# KiCad board fpgaboard.kicad_pcb
title: Game Boy reverse eng. FPGA board; date: 2024-12-09; rev: 1; company: CC-BY-SA-4.0 Michael Singer; note: https://github.com/msinger/gbreveng/; note: http://iceboy.a-singer.de/
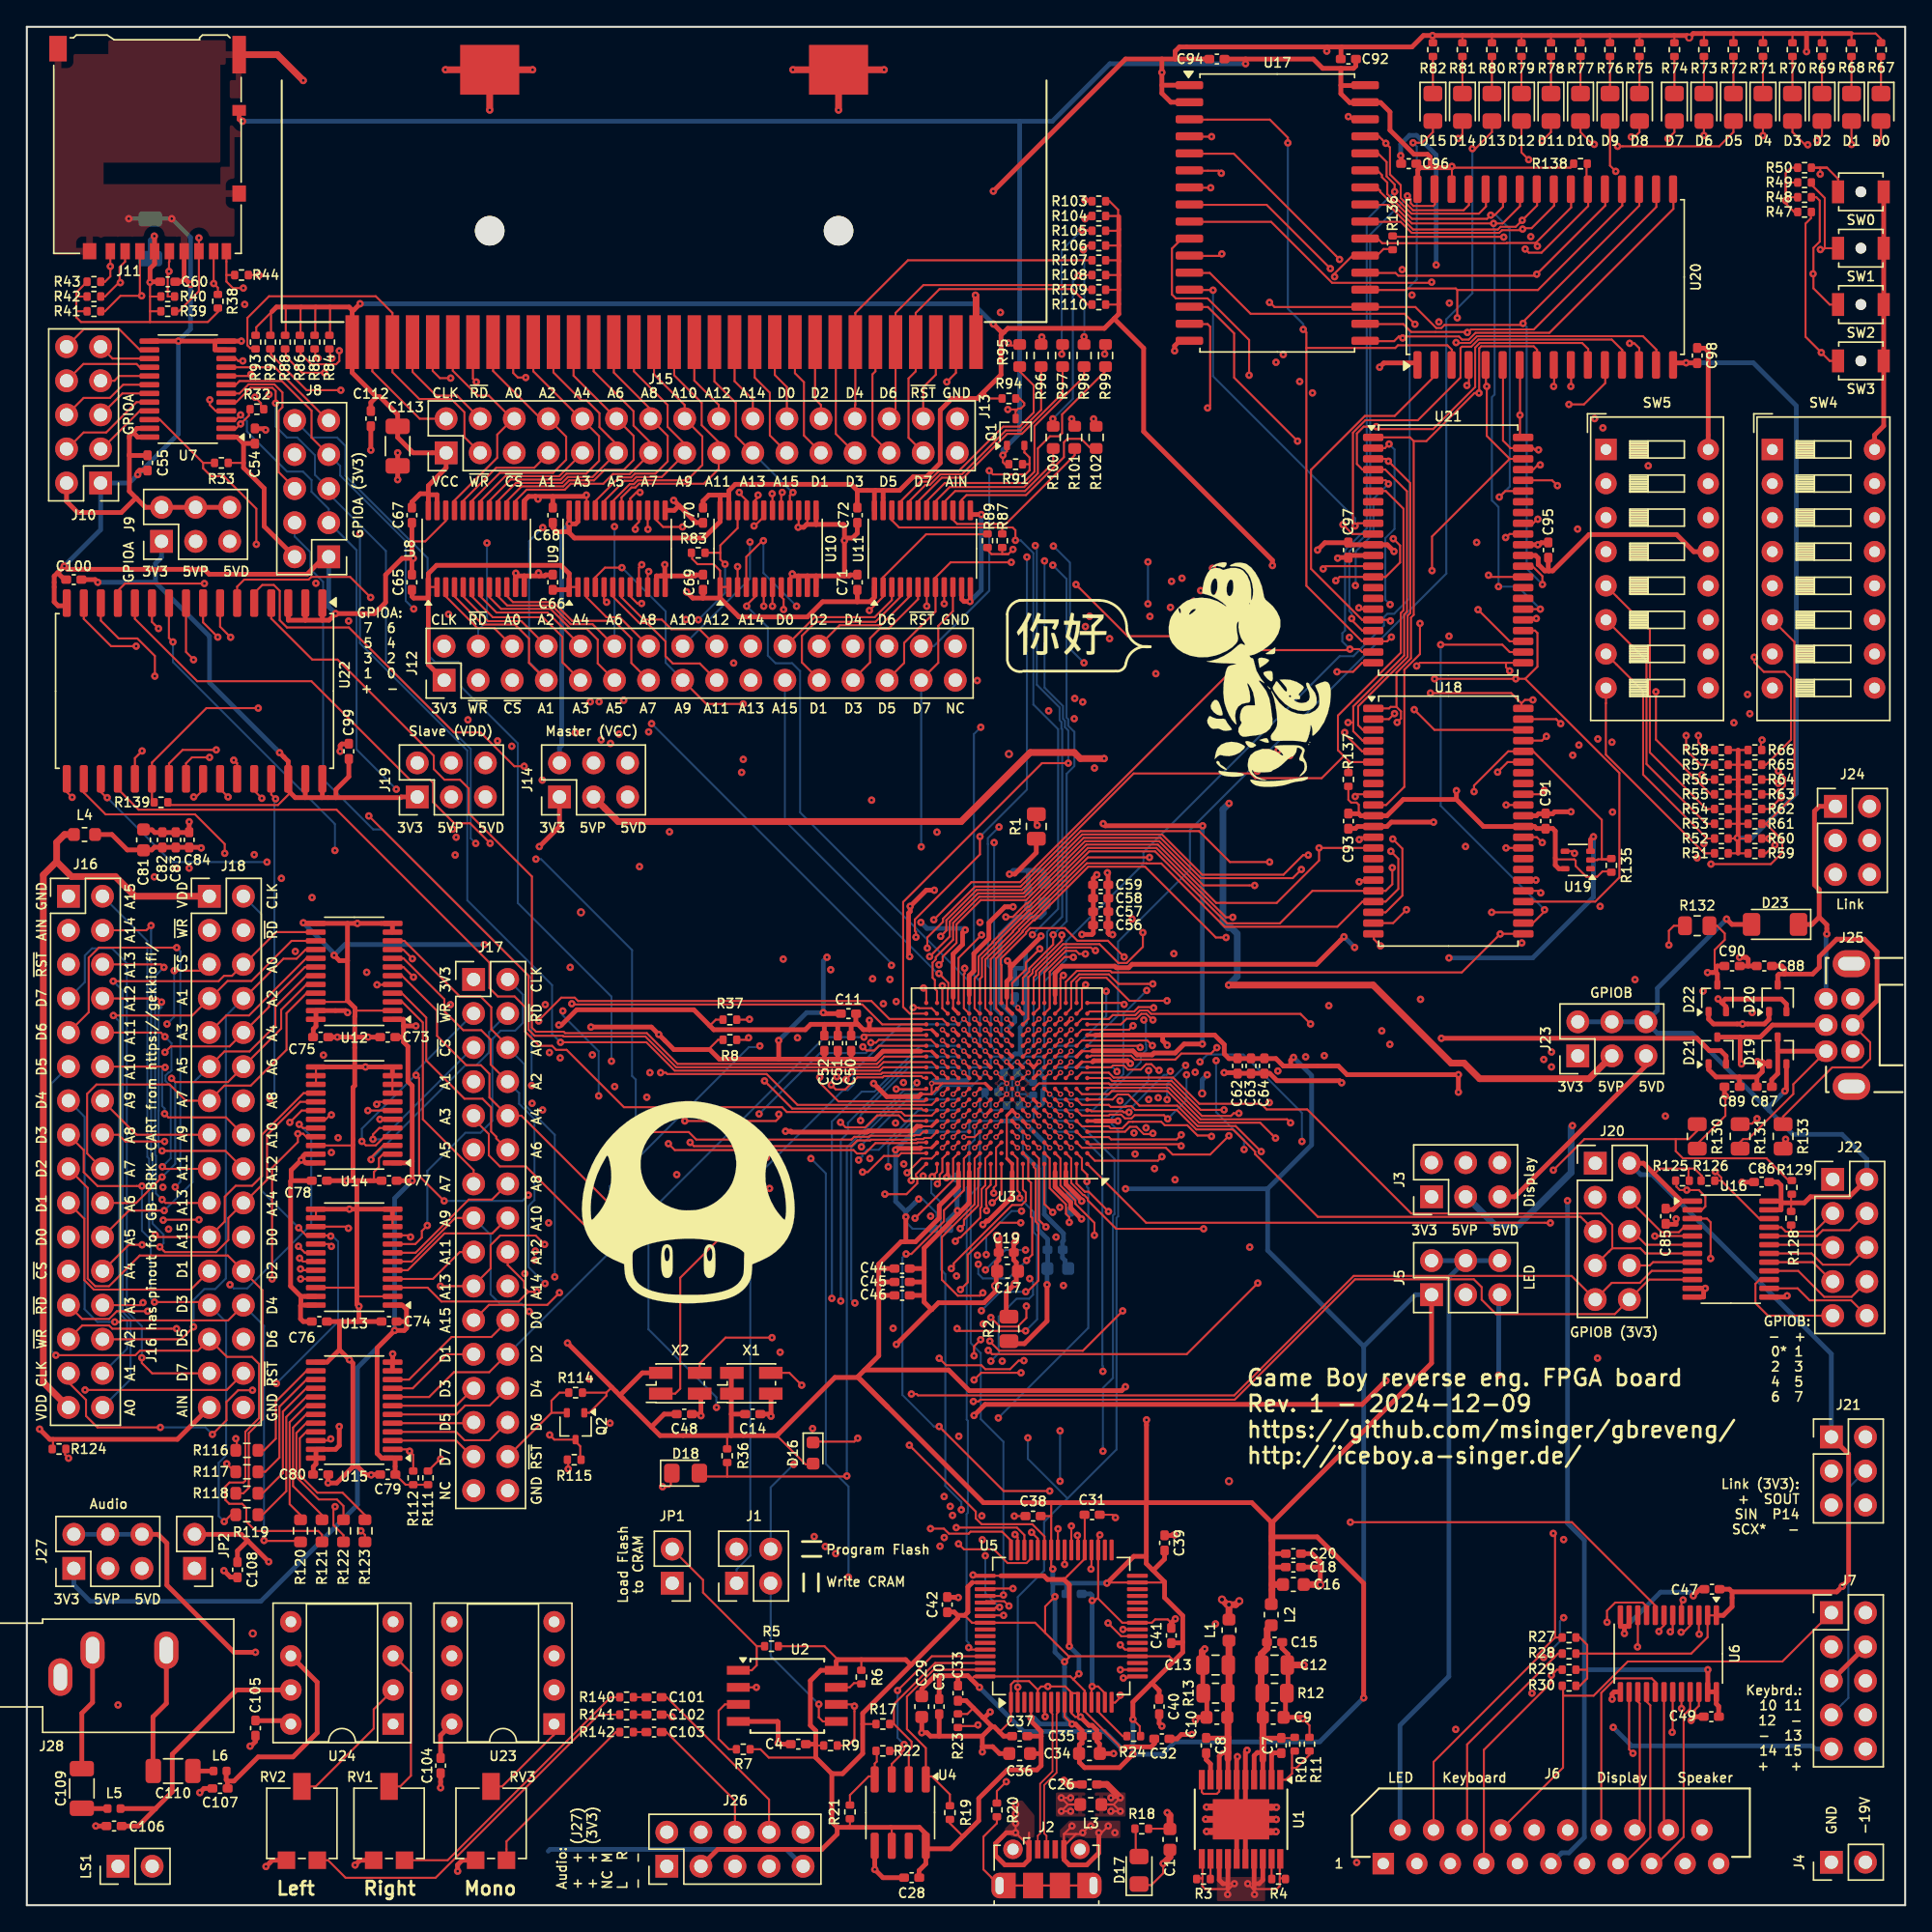
[diagram p0: board, top side]
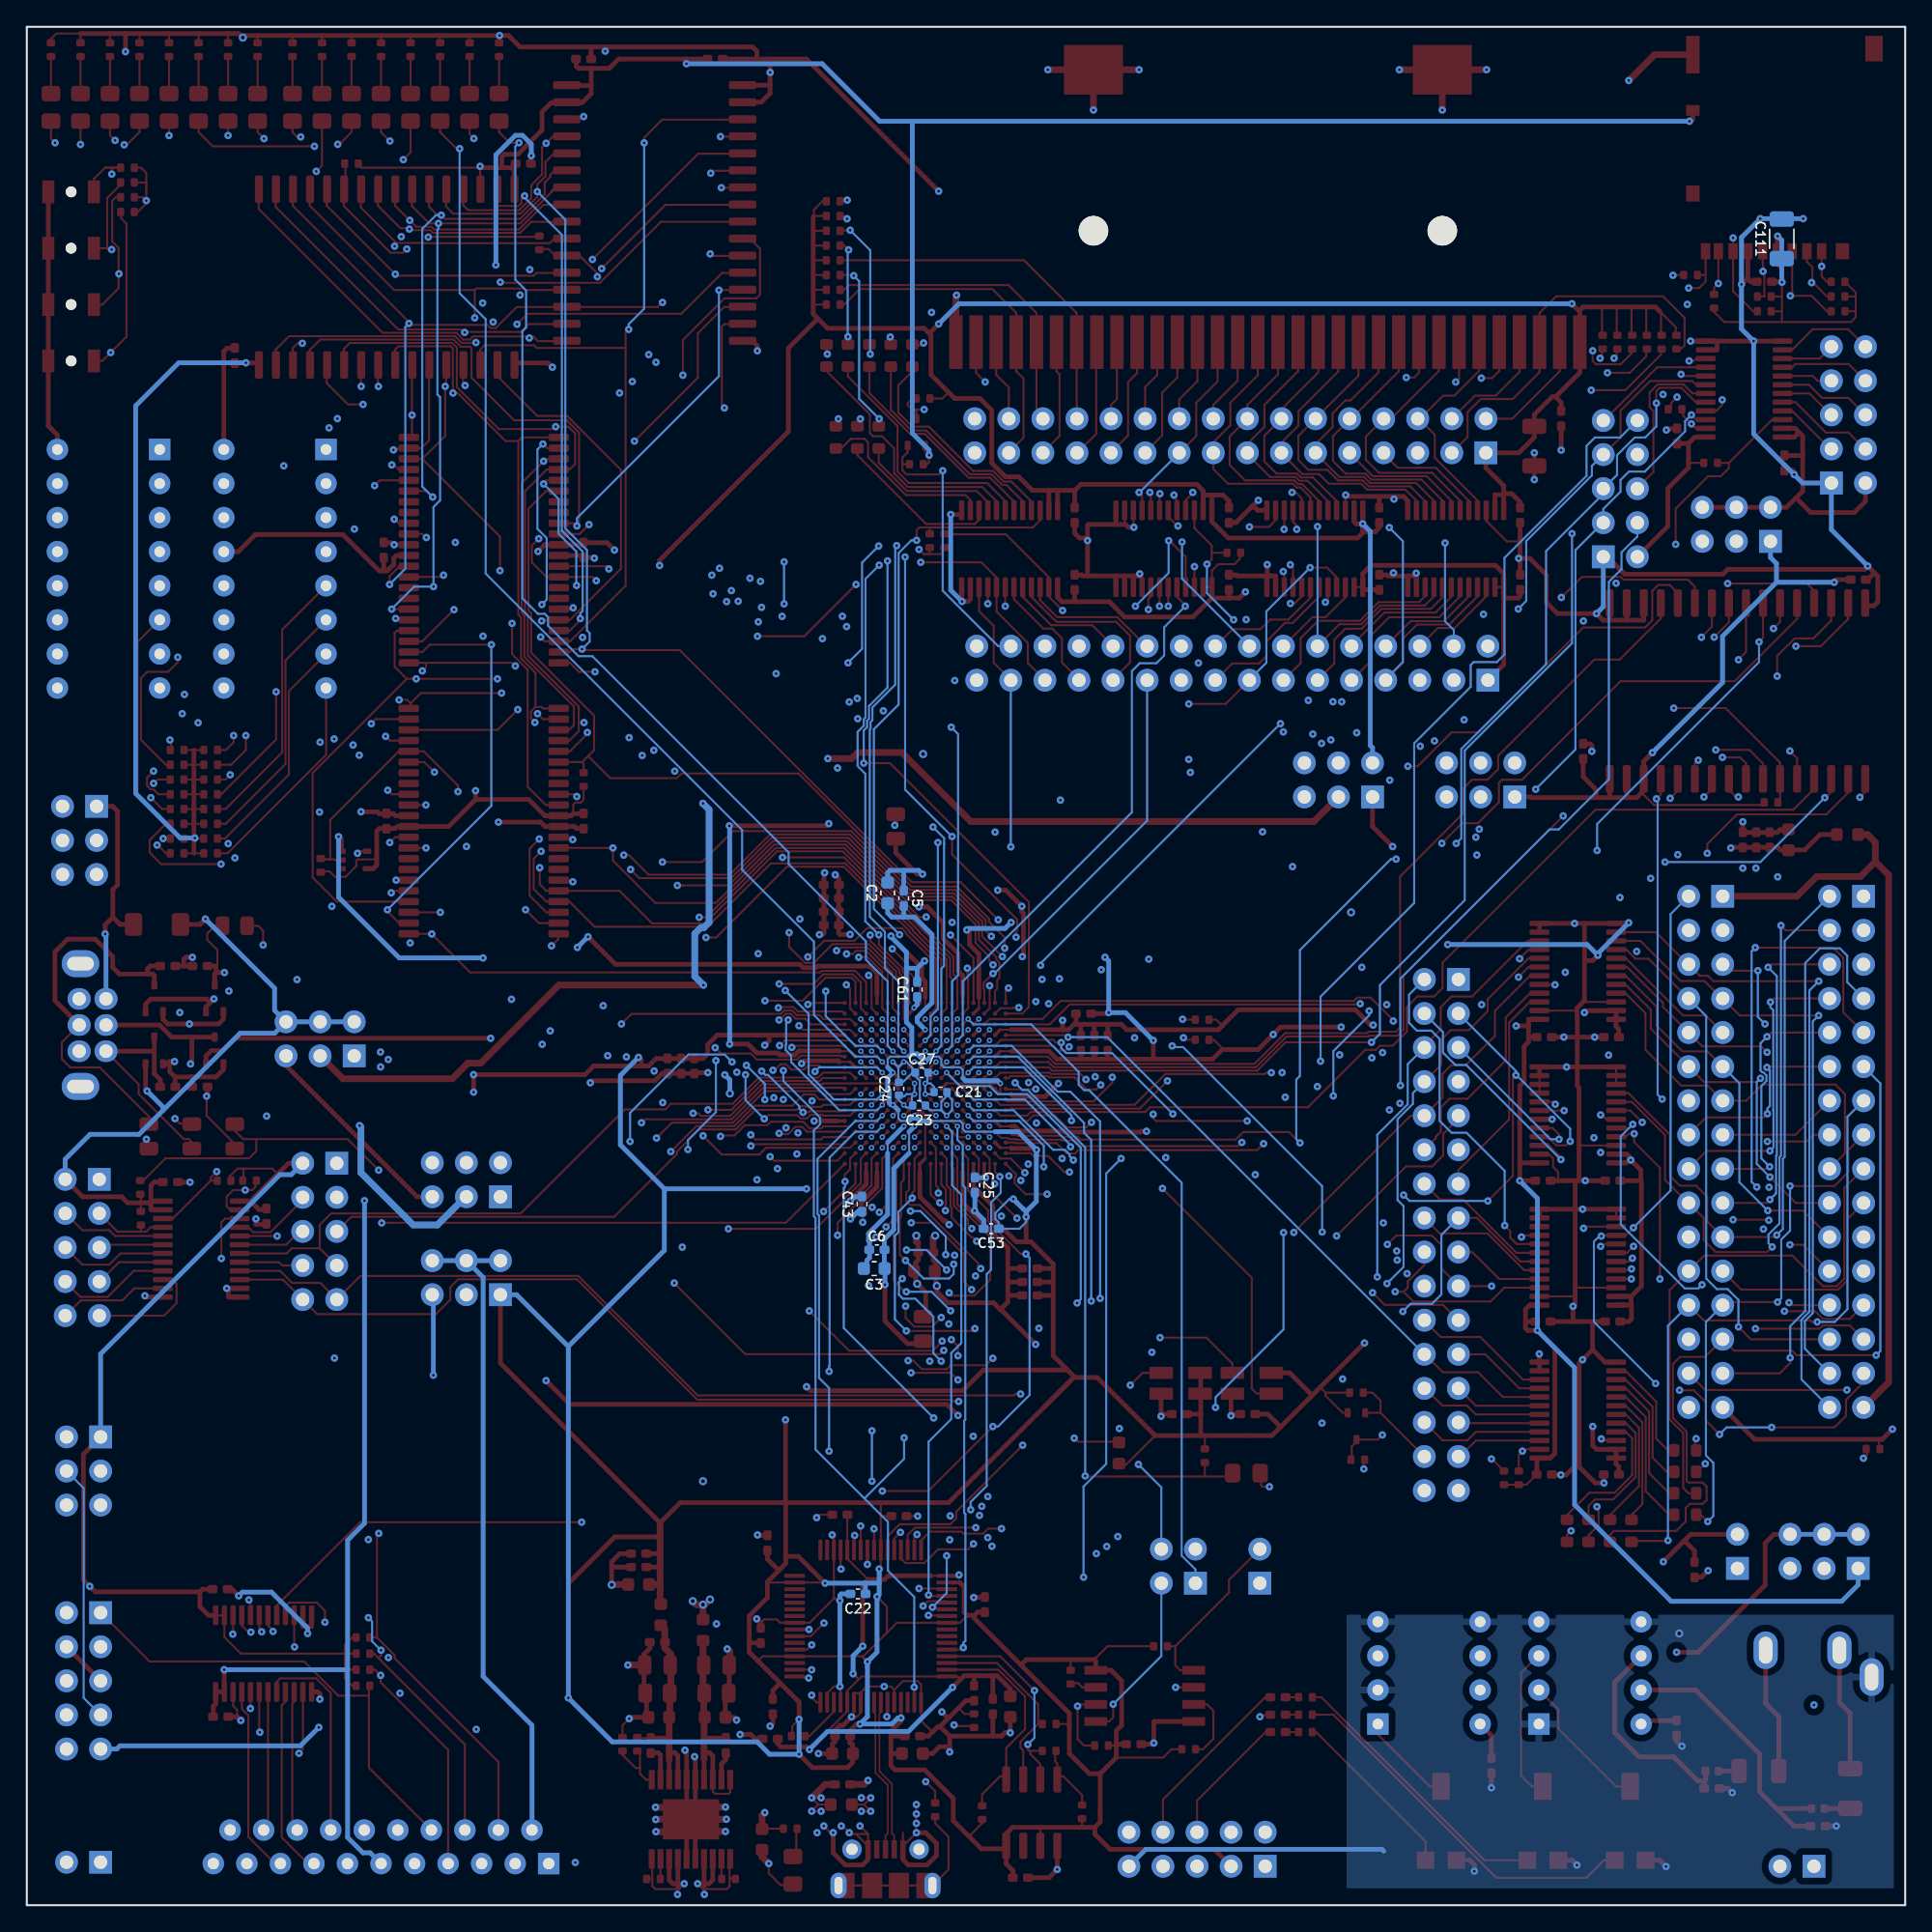
[diagram p1: board, bottom side, seen from below]

Outline 140 x 140 mm; copper layers: Top, In1.Cu, In2.Cu, Bottom. Coordinates in mm from the lower left corner of the outline.
Outline path: 0,140 0,0 140,0 140,140 0,140
Stack: Top 0.035mm / dielectric 0.48mm FR4 er 4.5 / In1.Cu 0.035mm / dielectric 0.48mm FR4 er 4.5 / In2.Cu 0.035mm / dielectric 0.48mm FR4 er 4.5 / Bottom 0.035mm

## Placement (name value [footprint] x y rotation side)
C1  10µ  [C_0603_1608Metric]  85.2 4.9 270 top
C2  10µ  [C_0603_1608Metric]  75.84 75.45 90 bottom
C3  10µ  [C_0603_1608Metric]  76.84 47.45 0 bottom
C4  100n  [C_0402_1005Metric_Pad0.74x0.62mm_HandSolder]  57.5 12 180 top
C5  100n  [C_0402_1005Metric_Pad0.74x0.62mm_HandSolder]  74.64 75.05 90 bottom
C6  100n  [C_0402_1005Metric_Pad0.74x0.62mm_HandSolder]  76.64 48.85 0 bottom
C7  10n  [C_0402_1005Metric_Pad0.74x0.62mm_HandSolder]  93.5 11.9 270 top
C8  10n  [C_0402_1005Metric_Pad0.74x0.62mm_HandSolder]  87.9 11.9 270 top
C9  10µ  [C_0603_1608Metric]  92.9 14 0 top
C10  4.7µ  [C_0603_1608Metric]  88.7 14 180 top
C11  100n  [C_0402_1005Metric_Pad0.74x0.62mm_HandSolder]  61.24 66.45 180 top
C12  22µ  [C_0805_2012Metric]  93 17.9 0 top
C13  22µ  [C_0805_2012Metric]  88.6 17.9 180 top
C14  100n  [C_0402_1005Metric_Pad0.74x0.62mm_HandSolder]  54.1 36.6 0 top
C15  100n  [C_0402_1005Metric_Pad0.74x0.62mm_HandSolder]  93 19.6 0 top
C16  10µ  [C_0603_1608Metric]  94.4 23.9 0 top
C17  10µ  [C_0603_1608Metric]  73.1 47.25 180 top
C18  1µ  [C_0402_1005Metric_Pad0.74x0.62mm_HandSolder]  94.4 25.2 0 top
C19  1µ  [C_0402_1005Metric_Pad0.74x0.62mm_HandSolder]  73 48.65 180 top
C20  100n  [C_0402_1005Metric_Pad0.74x0.62mm_HandSolder]  94.4 26.2 0 top
C21  100n  [C_0402_1005Metric]  71.9 60.6 0 bottom
C22  10n  [C_0402_1005Metric_Pad0.74x0.62mm_HandSolder]  78.05 23.2 0 bottom
C23  100n  [C_0402_1005Metric]  73.5 59.6 0 bottom
C24  100n  [C_0402_1005Metric]  75 60.85 270 bottom
C25  100n  [C_0402_1005Metric_Pad0.74x0.62mm_HandSolder]  69.34 53.67 270 bottom
C26  100n  [C_0402_1005Metric_Pad0.74x0.62mm_HandSolder]  79.2 9 0 top
C27  10n  [C_0402_1005Metric]  73.3 62.05 180 bottom
C28  100n  [C_0402_1005Metric_Pad0.74x0.62mm_HandSolder]  65.95 2.05 180 top
C29  10µ  [C_0603_1608Metric]  66.7 14.8 270 top
C30  100n  [C_0402_1005Metric_Pad0.74x0.62mm_HandSolder]  68 14.8 270 top
C31  100n  [C_0402_1005Metric_Pad0.74x0.62mm_HandSolder]  79.4 29.1 0 top
C32  100n  [C_0402_1005Metric_Pad0.74x0.62mm_HandSolder]  84.6 12.4 0 top
C33  100n  [C_0402_1005Metric_Pad0.74x0.62mm_HandSolder]  69.4 15.8 270 top
C34  4.7µ  [C_0603_1608Metric]  79.2 11.3 0 top
C35  100n  [C_0402_1005Metric_Pad0.74x0.62mm_HandSolder]  79.2 12.6 0 top
C36  4.7µ  [C_0603_1608Metric]  74 11.3 180 top
C37  100n  [C_0402_1005Metric_Pad0.74x0.62mm_HandSolder]  74 12.6 180 top
C38  100n  [C_0402_1005Metric_Pad0.74x0.62mm_HandSolder]  75 29 180 top
C39  100n  [C_0402_1005Metric_Pad0.74x0.62mm_HandSolder]  84.8 27 90 top
C40  100n  [C_0402_1005Metric_Pad0.74x0.62mm_HandSolder]  84.4 14.8 270 top
C41  100n  [C_0402_1005Metric_Pad0.74x0.62mm_HandSolder]  85.3 20.1 90 top
C42  100n  [C_0402_1005Metric_Pad0.74x0.62mm_HandSolder]  68.6 22.4 90 top
C43  100n  [C_0402_1005Metric_Pad0.74x0.62mm_HandSolder]  77.75 52.25 90 bottom
C44  100n  [C_0402_1005Metric_Pad0.74x0.62mm_HandSolder]  65.24 47.45 180 top
C45  100n  [C_0402_1005Metric_Pad0.74x0.62mm_HandSolder]  65.24 46.45 180 top
C46  100n  [C_0402_1005Metric_Pad0.74x0.62mm_HandSolder]  65.24 45.45 180 top
C47  100n  [C_0402_1005Metric_Pad0.74x0.62mm_HandSolder]  125.6 23.55 180 top
C48  100n  [C_0402_1005Metric_Pad0.74x0.62mm_HandSolder]  49 36.6 0 top
C49  100n  [C_0402_1005Metric_Pad0.74x0.62mm_HandSolder]  125.55 14.05 0 top
C50  100n  [C_0402_1005Metric_Pad0.74x0.62mm_HandSolder]  61.44 64.25 90 top
C51  100n  [C_0402_1005Metric_Pad0.74x0.62mm_HandSolder]  60.44 64.25 90 top
C52  100n  [C_0402_1005Metric_Pad0.74x0.62mm_HandSolder]  59.44 64.25 90 top
C53  100n  [C_0402_1005Metric_Pad0.74x0.62mm_HandSolder]  68.12 50.42 180 bottom
C54  100n  [C_0402_1005Metric_Pad0.74x0.62mm_HandSolder]  17 109.5 90 top
C55  100n  [C_0402_1005Metric_Pad0.74x0.62mm_HandSolder]  9 107.5 90 top
C56  100n  [C_0402_1005Metric_Pad0.74x0.62mm_HandSolder]  80.04 73.05 0 top
C57  100n  [C_0402_1005Metric_Pad0.74x0.62mm_HandSolder]  80.04 74.05 0 top
C58  100n  [C_0402_1005Metric_Pad0.74x0.62mm_HandSolder]  80.04 75.05 0 top
C59  100n  [C_0402_1005Metric_Pad0.74x0.62mm_HandSolder]  80.04 76.05 0 top
C60  100n  [C_0402_1005Metric_Pad0.74x0.62mm_HandSolder]  10.5 121 0 top
C61  100n  [C_0402_1005Metric_Pad0.74x0.62mm_HandSolder]  73.64 68.25 90 bottom
C62  100n  [C_0402_1005Metric_Pad0.74x0.62mm_HandSolder]  90.24 62.55 90 top
C63  100n  [C_0402_1005Metric_Pad0.74x0.62mm_HandSolder]  91.24 62.55 90 top
C64  100n  [C_0402_1005Metric_Pad0.74x0.62mm_HandSolder]  92.24 62.55 90 top
C65  100n  [C_0402_1005Metric_Pad0.74x0.62mm_HandSolder]  28.7 98.6 90 top
C66  100n  [C_0402_1005Metric_Pad0.74x0.62mm_HandSolder]  39.2 98.6 270 top
C67  100n  [C_0402_1005Metric_Pad0.74x0.62mm_HandSolder]  28.7 103.6 270 top
C68  100n  [C_0402_1005Metric_Pad0.74x0.62mm_HandSolder]  39.2 103.6 270 top
C69  100n  [C_0402_1005Metric_Pad0.74x0.62mm_HandSolder]  50.4 98.6 270 top
C70  100n  [C_0402_1005Metric_Pad0.74x0.62mm_HandSolder]  50.4 103.6 90 top
C71  100n  [C_0402_1005Metric_Pad0.74x0.62mm_HandSolder]  61.9 98.6 90 top
C72  100n  [C_0402_1005Metric_Pad0.74x0.62mm_HandSolder]  61.9 103.6 270 top
C73  100n  [C_0402_1005Metric_Pad0.74x0.62mm_HandSolder]  26.9 64.7 180 top
C74  100n  [C_0402_1005Metric_Pad0.74x0.62mm_HandSolder]  27 43.5 0 top
C75  100n  [C_0402_1005Metric_Pad0.74x0.62mm_HandSolder]  21.9 64.7 0 top
C76  100n  [C_0402_1005Metric_Pad0.74x0.62mm_HandSolder]  21.8 43.5 180 top
C77  100n  [C_0402_1005Metric_Pad0.74x0.62mm_HandSolder]  27 54 0 top
C78  100n  [C_0402_1005Metric_Pad0.74x0.62mm_HandSolder]  21.8 54 180 top
C79  100n  [C_0402_1005Metric_Pad0.74x0.62mm_HandSolder]  26.9 32.1 180 top
C80  100n  [C_0402_1005Metric_Pad0.74x0.62mm_HandSolder]  21.9 32.1 0 top
C81  10µ  [C_0603_1608Metric]  8.7 79.4 90 top
C82  1µ  [C_0402_1005Metric_Pad0.74x0.62mm_HandSolder]  10.1 79.4 90 top
C83  100n  [C_0402_1005Metric_Pad0.74x0.62mm_HandSolder]  11.1 79.4 90 top
C84  10n  [C_0402_1005Metric_Pad0.74x0.62mm_HandSolder]  12.1 79.4 90 top
C85  100n  [C_0402_1005Metric_Pad0.74x0.62mm_HandSolder]  122.15 51.35 270 top
C86  100n  [C_0402_1005Metric_Pad0.74x0.62mm_HandSolder]  129.3 53.9 180 top
C87  100p  [C_0402_1005Metric_Pad0.74x0.62mm_HandSolder]  129.5 61 180 top
C88  100p  [C_0402_1005Metric_Pad0.74x0.62mm_HandSolder]  129.5 70 180 top
C89  100p  [C_0402_1005Metric_Pad0.74x0.62mm_HandSolder]  127.1 61 0 top
C90  100p  [C_0402_1005Metric_Pad0.74x0.62mm_HandSolder]  127.1 70 0 top
C91  100n  [C_0402_1005Metric_Pad0.74x0.62mm_HandSolder]  113.2 80.8 90 top
C92  100n  [C_0402_1005Metric_Pad0.74x0.62mm_HandSolder]  98.5 137.6 180 top
C93  100n  [C_0402_1005Metric_Pad0.74x0.62mm_HandSolder]  98.5 80.8 270 top
C94  100n  [C_0402_1005Metric_Pad0.74x0.62mm_HandSolder]  88.7 137.6 180 top
C95  100n  [C_0402_1005Metric_Pad0.74x0.62mm_HandSolder]  113.4 101 90 top
C96  100n  [C_0402_1005Metric_Pad0.74x0.62mm_HandSolder]  103 129.8 180 top
C97  100n  [C_0402_1005Metric_Pad0.74x0.62mm_HandSolder]  98.5 101 270 top
C98  100n  [C_0402_1005Metric_Pad0.74x0.62mm_HandSolder]  124.5 115.5 270 top
C99  100n  [C_0402_1005Metric_Pad0.74x0.62mm_HandSolder]  24 86 90 top
C100  100n  [C_0402_1005Metric_Pad0.74x0.62mm_HandSolder]  3.5 98.8 180 top
C101  1µ  [C_0402_1005Metric_Pad0.74x0.62mm_HandSolder]  46.75 15.5 180 top
C102  1µ  [C_0402_1005Metric_Pad0.74x0.62mm_HandSolder]  46.75 14.2 180 top
C103  1µ  [C_0402_1005Metric_Pad0.74x0.62mm_HandSolder]  46.75 12.9 180 top
C104  100n  [C_0402_1005Metric_Pad0.74x0.62mm_HandSolder]  30.84 10.4 90 top
C105  100n  [C_0402_1005Metric_Pad0.74x0.62mm_HandSolder]  17.04 13.2 90 top
C106  47n  [C_0402_1005Metric_Pad0.74x0.62mm_HandSolder]  6.5 5.9 180 top
C107  47n  [C_0402_1005Metric_Pad0.74x0.62mm_HandSolder]  14.4 8.7 180 top
C108  47n  [C_0402_1005Metric_Pad0.74x0.62mm_HandSolder]  15.7 25 270 top
C109  100µ  [C_1206_3216Metric]  4.1 8.7 270 top
C110  100µ  [C_1206_3216Metric]  10.9 10 0 top
C111  100µ  [C_1206_3216Metric]  9.2 124.2 90 bottom
C112  100n  [C_0402_1005Metric_Pad0.74x0.62mm_HandSolder]  25.64 110.8 270 top
C113  100µ  [C_1206_3216Metric]  27.64 108.75 270 top
D0  red  [LED_0805_2012Metric_Pad1.15x1.40mm_HandSolder]  138.2 134 270 top
D1  red  [LED_0805_2012Metric_Pad1.15x1.40mm_HandSolder]  136 134 270 top
D2  red  [LED_0805_2012Metric_Pad1.15x1.40mm_HandSolder]  133.8 134 270 top
D3  red  [LED_0805_2012Metric_Pad1.15x1.40mm_HandSolder]  131.6 134 270 top
D4  red  [LED_0805_2012Metric_Pad1.15x1.40mm_HandSolder]  129.4 134 270 top
D5  red  [LED_0805_2012Metric_Pad1.15x1.40mm_HandSolder]  127.2 134 270 top
D6  red  [LED_0805_2012Metric_Pad1.15x1.40mm_HandSolder]  125 134 270 top
D7  red  [LED_0805_2012Metric_Pad1.15x1.40mm_HandSolder]  122.8 134 270 top
D8  red  [LED_0805_2012Metric_Pad1.15x1.40mm_HandSolder]  120.2 134 270 top
D9  red  [LED_0805_2012Metric_Pad1.15x1.40mm_HandSolder]  118 134 270 top
D10  red  [LED_0805_2012Metric_Pad1.15x1.40mm_HandSolder]  115.8 134 270 top
D11  red  [LED_0805_2012Metric_Pad1.15x1.40mm_HandSolder]  113.6 134 270 top
D12  red  [LED_0805_2012Metric_Pad1.15x1.40mm_HandSolder]  111.4 134 270 top
D13  red  [LED_0805_2012Metric_Pad1.15x1.40mm_HandSolder]  109.2 134 270 top
D14  red  [LED_0805_2012Metric_Pad1.15x1.40mm_HandSolder]  107 134 270 top
D15  red  [LED_0805_2012Metric_Pad1.15x1.40mm_HandSolder]  104.8 134 270 top
D16  CDBU0520  [D_0603_1608Metric]  58.6 33.7 270 top
D17  green  [LED_0805_2012Metric_Pad1.15x1.40mm_HandSolder]  82.9 2.6 90 top
D18  green  [LED_0805_2012Metric_Pad1.15x1.40mm_HandSolder]  49.1 32.2 0 top
D19  BAV199WQ  [SOT-323_SC-70]  130.5 63.7 90 top
D20  BAV199WQ  [SOT-323_SC-70]  130.5 67.6 90 top
D21  BAV199WQ  [SOT-323_SC-70]  126 63.7 90 top
D22  BAV199WQ  [SOT-323_SC-70]  126 67.6 90 top
D23  BAV100  [D_MiniMELF]  130.3 73.1 180 top
G1  -  [Yoshi]  91.1 91.63 0 top  (not fitted)
G2  -  [Hello]  77.13 94.71 0 top  (not fitted)
G3  -  [Shroom]  49.3 52.41 0 top  (not fitted)
J1  Conn_02x02_Odd_Even  [PinHeader_2x02_P2.54mm_Vertical]  52.9 24 90 top
J2  USB_B_Micro  [USB_Micro-B_Molex-105017-0001]  76 2.7 0 top
J3  Conn_02x03_Odd_Even  [PinHeader_2x03_P2.54mm_Vertical]  104.7 52.8 90 top
J4  Conn_01x02  [PinHeader_1x02_P2.54mm_Vertical]  134.5 3.2 90 top
J5  Conn_02x03_Odd_Even  [PinHeader_2x03_P2.54mm_Vertical]  104.7 45.5 90 top
J6  Conn_01x21  [DMG_FFC_LCD-Board_21Pin]  101.1 3.1 0 top
J7  Conn_02x05_Odd_Even  [PinHeader_2x05_P2.54mm_Vertical]  134.5 21.8 0 top
J8  Conn_02x05_Odd_Even  [PinHeader_2x05_P2.54mm_Vertical]  22.5 100.5 180 top
J9  Conn_02x03_Odd_Even  [PinHeader_2x03_P2.54mm_Vertical]  10.04 101.65 90 top
J10  Conn_02x05_Odd_Even  [PinHeader_2x05_P2.54mm_Vertical]  5.5 106 180 top
J11  Micro_SD_Card_Det2  [microSD_HC_Hirose_DM3AT-SF-PEJM5]  9 131 180 top
J12  Conn_02x16_Odd_Even  [PinHeader_2x16_P2.54mm_Vertical]  31.1 91.3 90 top
J13  Conn_02x16_Odd_Even  [PinHeader_2x16_P2.54mm_Vertical]  31.25 108.25 90 top
J14  Conn_02x03_Odd_Even  [PinHeader_2x03_P2.54mm_Vertical]  39.7 82.6 90 top
J15  GB_CARTRIDGE_CONN  [Cartridge_Socket_SMD]  47.5 123 0 top
J16  Conn_02x16_Odd_Even  [PinHeader_2x16_P2.54mm_Vertical]  3.1 75.2 0 top
J17  Conn_02x16_Odd_Even  [PinHeader_2x16_P2.54mm_Vertical]  33.3 69 0 top
J18  Conn_02x16_Odd_Even  [PinHeader_2x16_P2.54mm_Vertical]  13.6 75.2 0 top
J19  Conn_02x03_Odd_Even  [PinHeader_2x03_P2.54mm_Vertical]  29.1 82.6 90 top
J20  Conn_02x05_Odd_Even  [PinHeader_2x05_P2.54mm_Vertical]  116.9 55.3 0 top
J21  Conn_02x03_Odd_Even  [PinHeader_2x03_P2.54mm_Vertical]  134.5 34.9 0 top
J22  Conn_02x05_Odd_Even  [PinHeader_2x05_P2.54mm_Vertical]  134.6 54.1 0 top
J23  Conn_02x03_Odd_Even  [PinHeader_2x03_P2.54mm_Vertical]  115.6 63.3 90 top
J24  Conn_02x03_Odd_Even  [PinHeader_2x03_P2.54mm_Vertical]  134.8 81.9 0 top
J25  CGB_ELP  [CGB_External-Link-Port]  134.1 65.6 270 top
J26  Conn_02x05_Odd_Even  [PinHeader_2x05_P2.54mm_Vertical]  47.7 2.9 90 top
J27  Conn_02x03_Odd_Even  [PinHeader_2x03_P2.54mm_Vertical]  3.5 25.1 90 top
J28  SJ1-3533NG  [Jack_3.5mm_CUI_SJ1-3533NG_Horizontal]  2.5 17 90 top
JP1  Jumper_2_Bridged  [PinHeader_1x02_P2.54mm_Vertical]  48.1 24 180 top
JP2  Jumper_2_Bridged  [PinHeader_1x02_P2.54mm_Vertical]  12.5 25.1 180 top
L1  600ohm 500mA  [L_0603_1608Metric]  89.6 20.5 270 top
L2  600ohm 500mA  [L_0603_1608Metric]  92.75 21.65 270 top
L3  600ohm 500mA  [L_0603_1608Metric]  79.3 7.5 180 top
L4  600ohm 500mA  [L_0603_1608Metric]  4.3 79.8 0 top
L5  33n  [L_0402_1005Metric]  6.5 7.2 0 top
L6  33n  [L_0402_1005Metric]  14.4 10 0 top
LS1  8ohm  [PinHeader_1x02_P2.54mm_Vertical]  6.8 2.9 90 top
Q1  BSS138  [SOT-323_SC-70]  73.7 109.8 90 top
Q2  BSS138  [SOT-323_SC-70]  40.9 35.7 270 top
R1  100  [R_0805_2012Metric]  75.24 80.4 90 top
R2  100  [R_0805_2012Metric]  73.2 42.95 90 top
R3  1M  [R_0402_1005Metric]  87.7 1.95 0 top
R4  1M  [R_0402_1005Metric]  93.3 1.95 180 top
R5  10k  [R_0402_1005Metric]  55.5 19.3 180 top
R6  10k  [R_0402_1005Metric]  62.2 17 270 top
R7  10k  [R_0402_1005Metric]  53.4 11.62 180 top
R8  10k  [R_0402_1005Metric]  52.4 64.5 180 top
R9  10k  [R_0402_1005Metric]  59.9 11.9 0 top
R10  357k  [R_0402_1005Metric]  94.5 12 270 top
R11  210k  [R_0402_1005Metric]  95.6 12 270 top
R12  220  [R_0805_2012Metric]  93 15.8 0 top
R13  100  [R_0805_2012Metric]  88.6 15.8 180 top
R17  10k  [R_0402_1005Metric]  63.8 13.5 0 top
R18  1k  [R_0402_1005Metric]  83.1 5.7 180 top
R19  10k  [R_0402_1005Metric]  68.8 6.9 90 top
R20  1M  [R_0402_1005Metric]  72.3 7.1 90 top
R21  10k  [R_0402_1005Metric]  61.35 6.95 90 top
R22  2.2k  [R_0402_1005Metric]  63.8 11.5 180 top
R23  12k  [R_0402_1005Metric]  69.4 13.75 90 top
R24  2.2k  [R_0402_1005Metric]  82.5 12.6 180 top
R27  10k  [R_0402_1005Metric]  114.95 19.95 180 top
R28  10k  [R_0402_1005Metric]  114.95 18.75 180 top
R29  10k  [R_0402_1005Metric]  114.95 17.55 180 top
R30  10k  [R_0402_1005Metric]  114.95 16.35 180 top
R32  10k  [R_0402_1005Metric]  17.15 111.5 180 top
R33  10k  [R_0402_1005Metric]  14.5 107.5 180 top
R36  649  [R_0402_1005Metric]  52.2 33.5 270 top
R37  10k  [R_0402_1005Metric]  52.4 66 0 top
R38  10k  [R_0402_1005Metric]  14.24 119.55 90 top
R39  10k  [R_0402_1005Metric]  10.5 118.8 0 top
R40  10k  [R_0402_1005Metric]  10.5 119.9 0 top
R41  10k  [R_0402_1005Metric]  5 118.8 0 top
R42  10k  [R_0402_1005Metric]  5 119.9 0 top
R43  10k  [R_0402_1005Metric]  5 121 0 top
R44  10k  [R_0402_1005Metric]  16 121.5 0 top
R47  10k  [R_0402_1005Metric]  132.5 126.2 180 top
R48  10k  [R_0402_1005Metric]  132.5 127.3 180 top
R49  10k  [R_0402_1005Metric]  132.5 128.4 180 top
R50  10k  [R_0402_1005Metric]  132.5 129.5 180 top
R51  10k  [R_0402_1005Metric]  126.3 78.4 0 top
R52  10k  [R_0402_1005Metric]  126.3 79.5 0 top
R53  10k  [R_0402_1005Metric]  126.3 80.6 0 top
R54  10k  [R_0402_1005Metric]  126.3 81.7 0 top
R55  10k  [R_0402_1005Metric]  126.3 82.8 0 top
R56  10k  [R_0402_1005Metric]  126.3 83.9 0 top
R57  10k  [R_0402_1005Metric]  126.3 85 0 top
R58  10k  [R_0402_1005Metric]  126.3 86.1 0 top
R59  10k  [R_0402_1005Metric]  128.8 78.4 180 top
R60  10k  [R_0402_1005Metric]  128.8 79.5 180 top
R61  10k  [R_0402_1005Metric]  128.8 80.6 180 top
R62  10k  [R_0402_1005Metric]  128.8 81.7 180 top
R63  10k  [R_0402_1005Metric]  128.8 82.8 180 top
R64  10k  [R_0402_1005Metric]  128.8 83.9 180 top
R65  10k  [R_0402_1005Metric]  128.8 85 180 top
R66  10k  [R_0402_1005Metric]  128.8 86.1 180 top
R67  1k  [R_0402_1005Metric]  138.2 138.3 270 top
R68  1k  [R_0402_1005Metric]  136 138.3 270 top
R69  1k  [R_0402_1005Metric]  133.8 138.3 270 top
R70  1k  [R_0402_1005Metric]  131.6 138.3 270 top
R71  1k  [R_0402_1005Metric]  129.4 138.3 270 top
R72  1k  [R_0402_1005Metric]  127.2 138.3 270 top
R73  1k  [R_0402_1005Metric]  125 138.3 270 top
R74  1k  [R_0402_1005Metric]  122.8 138.3 270 top
R75  1k  [R_0402_1005Metric]  120.2 138.3 270 top
R76  1k  [R_0402_1005Metric]  118 138.3 270 top
R77  1k  [R_0402_1005Metric]  115.8 138.3 270 top
R78  1k  [R_0402_1005Metric]  113.6 138.3 270 top
R79  1k  [R_0402_1005Metric]  111.4 138.3 270 top
R80  1k  [R_0402_1005Metric]  109.2 138.3 270 top
R81  1k  [R_0402_1005Metric]  107 138.3 270 top
R82  1k  [R_0402_1005Metric]  104.8 138.3 270 top
R83  10k  [R_0402_1005Metric]  50.04 100.8 0 top
R84  10k  [R_0402_1005Metric]  22.55 116.5 270 top
R85  10k  [R_0402_1005Metric]  21.45 116.5 270 top
R86  10k  [R_0402_1005Metric]  20.35 116.5 270 top
R87  10k  [R_0402_1005Metric]  72.7 101.7 90 top
R88  10k  [R_0402_1005Metric]  19.25 116.5 270 top
R89  10k  [R_0402_1005Metric]  71.6 101.7 90 top
R91  10k  [R_0402_1005Metric]  73.7 107.4 0 top
R92  10k  [R_0402_1005Metric]  18.15 116.5 270 top
R93  10k  [R_0402_1005Metric]  17.05 116.5 270 top
R94  10k  [R_0402_1005Metric]  73.2 112.3 0 top
R95  10  [R_0603_1608Metric]  74 115.5 270 top
R96  10  [R_0603_1608Metric]  75.6 115.5 270 top
R97  10  [R_0603_1608Metric]  77.2 115.5 270 top
R98  10  [R_0603_1608Metric]  78.8 115.5 270 top
R99  10  [R_0603_1608Metric]  80.4 115.5 270 top
R100  10  [R_0603_1608Metric]  76.5 109.4 270 top
R101  10  [R_0603_1608Metric]  78.1 109.4 270 top
R102  10  [R_0603_1608Metric]  79.7 109.4 270 top
R103  10k  [R_0402_1005Metric]  79.9 127 0 top
R104  10k  [R_0402_1005Metric]  79.9 125.9 0 top
R105  10k  [R_0402_1005Metric]  79.9 124.8 0 top
R106  10k  [R_0402_1005Metric]  79.9 123.7 0 top
R107  10k  [R_0402_1005Metric]  79.9 122.6 0 top
R108  10k  [R_0402_1005Metric]  79.9 121.5 0 top
R109  10k  [R_0402_1005Metric]  79.9 120.4 0 top
R110  10k  [R_0402_1005Metric]  79.9 119.3 0 top
R111  10k  [R_0402_1005Metric]  29.9 31.85 90 top
R112  10k  [R_0402_1005Metric]  28.8 31.85 90 top
R114  10k  [R_0402_1005Metric]  40.9 38.2 180 top
R115  10k  [R_0402_1005Metric]  40.8 33.2 0 top
R116  10  [R_0603_1608Metric]  16.4 33.9 0 top
R117  10  [R_0603_1608Metric]  16.4 32.3 0 top
R118  10  [R_0603_1608Metric]  16.4 30.7 0 top
R119  10  [R_0603_1608Metric]  16.4 29.1 0 top
R120  10  [R_0603_1608Metric]  20.4 27.9 90 top